# KiCad board AMC_FMC_Carrier-PcbDoc.kicad_pcb (continued)
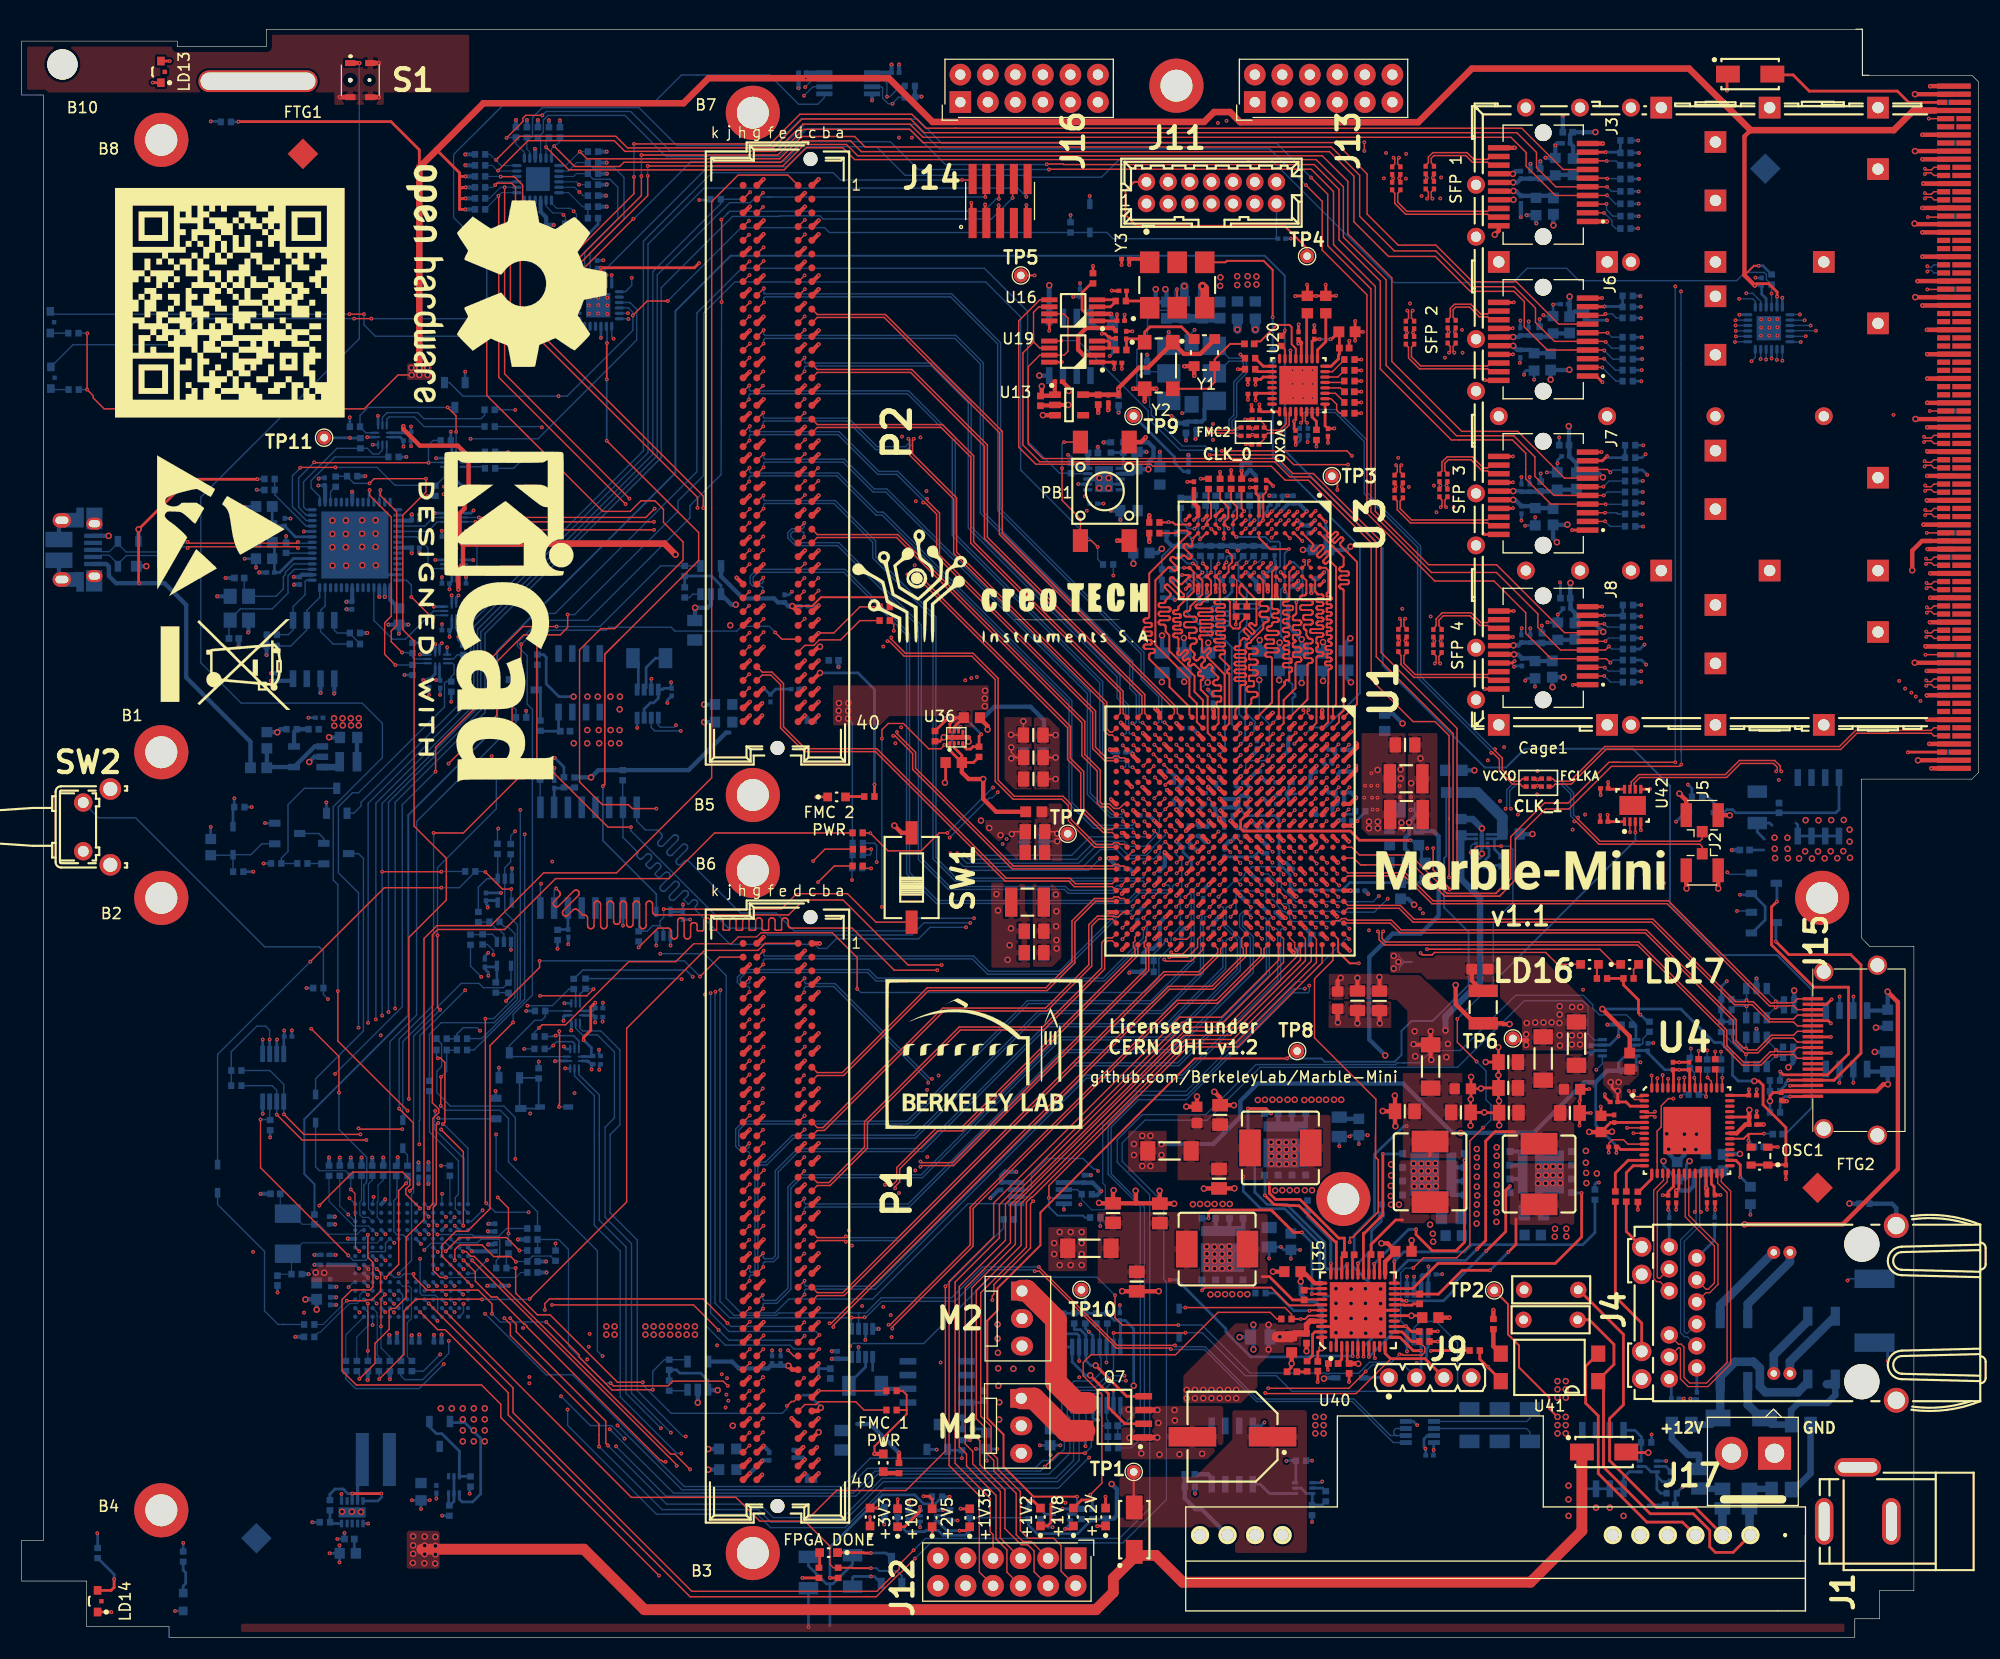
[diagram p0: board, top side]
## Routing (per net, layer and track width the routed paths; a pad name or vN(x,y) marks a point on that pad's centre or on a via; arc(x,y) is an arc through that point) (continued)
  Bottom w0.127: R294.2 v1(155.57,54.19)
/ETH_PHY/RGMII_RXD2: length 61.9
  Top w0.112: v1(114.43,71.55) 114.43,71.56 U1.J14
  Top w0.127: R295.2 v1(154.79,54.17)
  In2.Cu w0.127: 135.21,68.55 146.68,68.59 147.01,68.26 147.04,68.22 147.07,68.18 147.08,68.13 147.08,68.08 147.07,68.04 147.04,67.99 146.98,67.92 146.96,67.87 146.95,67.82 146.95,67.77 146.96,67.73 146.98,67.68 147.01,67.65 147.13,67.53 147.17,67.5 147.21,67.48 147.26,67.47 147.31,67.47 147.36,67.48 147.4,67.5 147.44,67.53 147.59,67.68 147.6,67.68 147.73,67.82 147.77,67.84 147.81,67.86 147.85,67.87 147.89,67.87 147.93,67.86 147.97,67.84 148.01,67.82 148.16,67.66 148.19,67.63 148.2,67.59 148.21,67.55 148.21,67.51 148.2,67.46 148.19,67.42 148.16,67.39 147.87,67.1 147.84,67.06 147.82,67.02 147.81,66.97 147.81,66.92 147.82,66.87 147.84,66.83 147.87,66.79 147.98,66.68 148.02,66.65 148.07,66.62 148.11,66.61 148.16,66.61 148.21,66.62 148.25,66.65 148.29,66.68 148.58,66.97 148.62,66.99 148.66,67.01 148.7,67.02 148.74,67.02 148.78,67.01 148.82,66.99 148.86,66.97 149.01,66.82 149.03,66.78 149.05,66.74 149.06,66.7 149.06,66.66 149.05,66.62 149.03,66.58 149.01,66.54 148.72,66.25 148.69,66.21 148.66,66.17 148.65,66.12 148.65,66.07 148.66,66.03 148.69,65.98 148.72,65.94 148.83,65.83 148.87,65.8 148.91,65.78 148.96,65.76 149.01,65.76 149.06,65.78 149.1,65.8 149.14,65.83 149.43,66.12 149.47,66.15 149.5,66.16 149.55,66.17 149.59,66.17 149.63,66.16 149.67,66.15 149.7,66.12 149.86,65.97 149.88,65.93 149.9,65.89 149.91,65.85 149.91,65.81 149.9,65.77 149.88,65.73 149.86,65.69 149.56,65.4 149.53,65.37 149.51,65.32 149.5,65.27 149.5,65.22 149.51,65.18 149.53,65.13 149.56,65.09 149.68,64.98 149.72,64.95 149.76,64.93 149.81,64.92 149.86,64.92 149.91,64.93 149.95,64.95 149.99,64.98 150.28,65.27 150.31,65.3 150.35,65.32 150.39,65.33 150.44,65.33 150.48,65.32 150.52,65.3 150.55,65.27 150.7,65.12 150.73,65.08 150.75,65.05 150.76,65 150.76,64.96 150.75,64.92 150.73,64.88 150.7,64.85 150.41,64.55 150.38,64.52 150.36,64.47 150.35,64.42 150.35,64.38 150.36,64.33 150.38,64.28 150.41,64.25 150.53,64.13 150.57,64.1 150.61,64.08 150.66,64.07 150.71,64.07 150.76,64.08 150.8,64.1 150.84,64.13 151.13,64.42 151.16,64.45 151.2,64.47 151.24,64.48 151.29,64.48 151.33,64.47 151.37,64.45 151.4,64.42 151.55,64.27 151.58,64.24 151.6,64.2 151.61,64.16 151.61,64.11 151.6,64.07 151.58,64.03 151.55,64 151.26,63.71 151.23,63.67 151.21,63.62 151.2,63.58 151.2,63.53 151.21,63.48 151.23,63.44 151.26,63.4 151.38,63.28 151.42,63.25 151.46,63.23 151.51,63.22 151.56,63.22 151.6,63.23 151.65,63.25 151.69,63.28 151.98,63.57 152.01,63.6 152.05,63.62 152.09,63.63 152.14,63.63 152.18,63.62 152.22,63.6 152.25,63.57 152.4,63.42 152.43,63.39 152.45,63.35 152.46,63.31 152.46,63.26 152.45,63.22 152.43,63.18 152.4,63.15 152.11,62.86 152.08,62.82 152.06,62.78 152.05,62.73 152.05,62.68 152.06,62.63 152.08,62.59 152.11,62.55 152.23,62.43 152.26,62.4 152.31,62.38 152.36,62.37 152.4,62.37 152.45,62.38 152.5,62.4 152.53,62.43 152.83,62.72 152.86,62.75 152.9,62.77 152.94,62.78 152.98,62.78 153.03,62.77 153.06,62.75 153.1,62.72 153.25,62.57 153.28,62.54 153.3,62.5 153.31,62.46 153.31,62.41 153.3,62.37 153.28,62.33 153.22,62.27 153.2,62.23 153.19,62.19 153.19,62.14 153.2,62.1 153.22,62.06 153.25,62.03 154.53,60.74 154.53,54.42 v1(154.79,54.17) ; 135.21,68.55 135.15,68.59 ; 135.21,68.55 134.41,69.35 134.31,69.35 132.21,71.45 131.81,71.45 122.66,71.46 122.33,71.13 119.71,71.13 119.69,71.12 119.14,71.12 119.01,71.25 117.64,71.23 117.57,71.16 115.32,71.16 114.92,71.55 v1(114.43,71.55)
/ETH_PHY/RGMII_RXD3: length 61.3
  Top w0.112: U1.K14 v1(113.46,71.53)
  In2.Cu w0.127: v1(113.46,71.53) 113.47,71.54 113.92,71.54 114.3,71.16 114.88,71.16 115.15,70.89 119.47,70.89 119.48,70.88 122.43,70.88 122.61,71.06 132.08,71.06 133.58,69.56 133.62,69.51 133.65,69.44 133.66,69.38 133.66,69.31 133.65,69.25 133.62,69.19 133.58,69.13 133.3,68.86 133.26,68.81 133.23,68.75 133.22,68.68 133.22,68.61 133.23,68.55 133.26,68.49 133.3,68.43 133.36,68.39 133.42,68.36 133.48,68.35 133.55,68.35 133.61,68.36 133.67,68.39 133.73,68.43 134.28,68.99 134.3,69 134.32,69.01 134.34,69.02 134.36,69.02 134.38,69.01 134.4,69 134.41,68.99 134.71,68.7 134.72,68.68 134.73,68.66 134.73,68.64 134.73,68.62 134.73,68.6 134.72,68.58 134.69,68.55 134.68,68.53 134.68,68.51 134.68,68.49 134.68,68.47 134.69,68.45 134.71,68.43 135.13,68.01 135.33,68.01 135.37,68 135.41,67.99 135.45,67.97 135.48,67.93 135.5,67.9 135.52,67.86 135.53,67.77 135.54,67.73 135.56,67.69 135.59,67.66 135.63,67.64 135.67,67.62 135.72,67.62 135.93,67.62 135.97,67.62 136.01,67.64 136.05,67.66 136.08,67.69 136.1,67.73 136.12,67.77 136.12,67.81 136.12,68.01 136.13,68.01 136.13,68.13 136.13,68.15 136.14,68.18 136.15,68.2 136.17,68.22 136.19,68.24 136.22,68.24 136.25,68.25 136.61,68.25 136.63,68.24 136.66,68.24 136.68,68.22 136.7,68.2 136.72,68.18 136.72,68.15 136.73,68.13 136.73,67.81 136.73,67.77 136.75,67.73 136.77,67.69 136.8,67.66 136.84,67.64 136.88,67.62 136.92,67.62 137.13,67.62 137.18,67.62 137.22,67.64 137.25,67.66 137.28,67.69 137.31,67.73 137.32,67.77 137.33,67.81 137.33,68.13 137.33,68.15 137.34,68.18 137.35,68.2 137.37,68.22 137.39,68.24 137.42,68.24 137.45,68.25 137.81,68.25 137.83,68.24 137.86,68.24 137.88,68.22 137.9,68.2 137.92,68.18 137.92,68.15 137.93,68.13 137.93,67.81 137.93,67.77 137.95,67.73 137.97,67.69 138,67.66 138.04,67.64 138.08,67.62 138.12,67.62 138.33,67.62 138.38,67.62 138.42,67.64 138.45,67.66 138.48,67.69 138.51,67.73 138.52,67.77 138.53,67.81 138.53,68.13 138.53,68.15 138.54,68.18 138.55,68.2 138.57,68.22 138.59,68.24 138.62,68.24 138.65,68.25 139.01,68.25 139.03,68.24 139.06,68.24 139.08,68.22 139.1,68.2 139.12,68.18 139.12,68.15 139.13,68.13 139.13,67.81 139.13,67.77 139.15,67.73 139.17,67.69 139.2,67.66 139.24,67.64 139.28,67.62 139.32,67.62 139.53,67.62 139.58,67.62 139.62,67.64 139.65,67.66 139.68,67.69 139.71,67.73 139.72,67.77 139.73,67.81 139.73,68.13 139.73,68.15 139.74,68.18 139.75,68.2 139.77,68.22 139.79,68.24 139.82,68.24 139.85,68.25 140.21,68.25 140.23,68.24 140.26,68.24 140.28,68.22 140.3,68.2 140.32,68.18 140.32,68.15 140.33,68.13 140.33,67.81 140.33,67.77 140.35,67.73 140.37,67.69 140.4,67.66 140.44,67.64 140.48,67.62 140.52,67.62 140.73,67.62 140.78,67.62 140.82,67.64 140.85,67.66 140.88,67.69 140.91,67.73 140.92,67.77 140.93,67.81 140.93,68.13 140.93,68.15 140.94,68.18 140.95,68.2 140.97,68.22 140.99,68.24 141.02,68.24 141.05,68.25 141.41,68.25 141.43,68.24 141.46,68.24 141.48,68.22 141.5,68.2 141.52,68.18 141.52,68.15 141.53,68.13 141.53,67.81 141.53,67.77 141.55,67.73 141.57,67.69 141.6,67.66 141.64,67.64 141.68,67.62 141.72,67.62 141.93,67.62 141.98,67.62 142.02,67.64 142.05,67.66 142.08,67.69 142.11,67.73 142.12,67.77 142.13,67.81 142.13,68.13 142.13,68.15 142.14,68.18 142.15,68.2 142.17,68.22 142.19,68.24 142.22,68.24 142.25,68.25 142.61,68.25 142.63,68.24 142.66,68.24 142.68,68.22 142.7,68.2 142.72,68.18 142.72,68.15 142.73,68.13 142.73,67.81 142.73,67.77 142.75,67.73 142.77,67.69 142.8,67.66 142.84,67.64 142.88,67.62 142.92,67.62 143.13,67.62 143.18,67.62 143.22,67.64 143.25,67.66 143.28,67.69 143.31,67.73 143.32,67.77 143.33,67.86 143.35,67.9 143.37,67.93 143.4,67.97 143.44,67.99 143.48,68 143.52,68.01 143.76,68.01 143.79,68 143.82,67.99 143.85,67.98 143.87,67.96 143.89,67.93 143.9,67.9 143.91,67.84 143.92,67.81 143.93,67.78 143.95,67.76 143.98,67.75 144.01,67.73 144.04,67.73 144.36,67.73 144.39,67.73 144.42,67.75 144.45,67.76 144.47,67.78 144.49,67.81 144.5,67.84 144.51,67.9 144.52,67.93 144.53,67.96 144.55,67.98 144.58,67.99 144.61,68 144.64,68.01 146.25,68.01 154.07,60.19 v1(154.07,54.38)
  Bottom w0.127: R296.2 154.07,53.61 v1(154.07,54.38)
/ETH_PHY/RGMII_TX_CLK: length 53.6
  Top w0.112: U1.J15 114.04,70.96 v1(114.5,70.5)
  Top w0.127: U4.53 151.96,51.57 v1(151.97,51.57)
  In2.Cu w0.127: v1(126.08,68.21) 129.54,68.21 131.8,65.95 137.46,65.95 138.4,65.01 145.31,65.01 146.1,64.22 146.12,64.2 146.14,64.17 146.14,64.13 146.14,64.1 146.14,64.07 146.12,64.04 146.08,63.99 146.06,63.95 146.06,63.92 146.06,63.89 146.06,63.86 146.08,63.83 146.1,63.8 146.31,63.59 146.34,63.57 146.37,63.55 146.4,63.54 146.43,63.54 146.47,63.55 146.5,63.57 146.52,63.59 146.74,63.8 146.76,63.82 146.79,63.83 146.83,63.84 146.86,63.84 146.89,63.83 146.92,63.82 146.95,63.8 147.16,63.59 147.18,63.56 147.2,63.53 147.2,63.5 147.2,63.46 147.2,63.43 147.18,63.4 147.14,63.35 147.13,63.32 147.12,63.29 147.12,63.25 147.13,63.22 147.14,63.19 147.16,63.16 151.97,58.36 v1(151.97,51.57)
  Bottom w0.127: v1(114.5,70.5) 115.04,70.5 115.56,69.98 115.56,69.97 115.9,69.62 115.9,68.13 116.3,67.74 116.8,67.74 116.99,67.55 116.99,67.32 117.26,67.05 121.51,67.05 121.6,66.97 124.84,66.97 v1(126.08,68.21)
/ETH_PHY/RGMII_TX_EN: length 53.5
  Top w0.127: v1(150.44,51.88) 150.46,51.86 U4.56 ; U1.J16 114.03,69.85 v1(114.43,69.45)
  In2.Cu w0.127: v1(114.43,69.45) 114.86,69.02 115.72,69.02 116,68.74 116.76,68.74 117.45,68.06 120.45,68.06 121.06,67.45 121.06,67.37 121.38,67.05 121.51,67.05 123.98,64.58 127.41,64.58 127.81,64.15 128.07,63.89 130.36,63.89 130.56,63.69 136.45,63.69 138.63,61.51 138.99,61.51 139.04,61.5 139.1,61.48 139.14,61.45 139.18,61.41 139.21,61.36 139.23,61.31 139.24,61.2 139.26,61.15 139.29,61.1 139.33,61.06 139.38,61.03 139.43,61.01 139.49,61.01 139.59,61.01 139.64,61.01 139.7,61.03 139.74,61.06 139.78,61.1 139.81,61.15 139.83,61.2 139.84,61.26 139.84,61.76 139.84,61.81 139.86,61.86 139.89,61.91 139.93,61.95 139.98,61.98 140.03,62 140.09,62.01 140.19,62.01 140.24,62 140.3,61.98 140.34,61.95 140.38,61.91 140.41,61.86 140.43,61.81 140.44,61.76 140.44,61.26 140.44,61.2 140.46,61.15 140.49,61.1 140.53,61.06 140.58,61.03 140.63,61.01 140.69,61.01 140.79,61.01 140.84,61.01 140.9,61.03 140.94,61.06 140.98,61.1 141.01,61.15 141.03,61.2 141.04,61.26 141.04,61.76 141.04,61.81 141.06,61.86 141.09,61.91 141.13,61.95 141.18,61.98 141.23,62 141.29,62.01 141.39,62.01 141.44,62 141.5,61.98 141.54,61.95 141.58,61.91 141.61,61.86 141.63,61.81 141.64,61.76 141.64,61.26 141.64,61.2 141.66,61.15 141.69,61.1 141.73,61.06 141.78,61.03 141.83,61.01 141.89,61.01 141.99,61.01 142.04,61.01 142.1,61.03 142.14,61.06 142.18,61.1 142.21,61.15 142.23,61.2 142.24,61.26 142.24,61.76 142.24,61.81 142.26,61.86 142.29,61.91 142.33,61.95 142.38,61.98 142.43,62 142.49,62.01 142.59,62.01 142.64,62 142.7,61.98 142.74,61.95 142.78,61.91 142.81,61.86 142.83,61.81 142.84,61.76 142.84,61.26 142.84,61.2 142.86,61.15 142.89,61.1 142.93,61.06 142.98,61.03 143.03,61.01 143.09,61.01 143.19,61.01 143.24,61.01 143.3,61.03 143.34,61.06 143.38,61.1 143.41,61.15 143.43,61.2 143.44,61.26 143.44,61.76 143.44,61.81 143.46,61.86 143.49,61.91 143.53,61.95 143.58,61.98 143.63,62 143.69,62.01 143.79,62.01 143.84,62 143.9,61.98 143.94,61.95 143.98,61.91 144.01,61.86 144.03,61.81 144.04,61.7 144.06,61.65 144.09,61.6 144.13,61.56 144.18,61.53 144.23,61.51 144.29,61.51 144.68,61.51 150.25,55.94 150.25,52.07 v1(150.44,51.88)
/ETH_PHY/RGMII_TXD0: length 53.5
  Top w0.112: U1.G15 116.47,70.52 v1(116.47,70.45)
  Top w0.127: v1(153.47,51.7) 153.46,51.7 U4.50
  In2.Cu w0.127: v1(116.47,70.45) 117.03,69.89 131.5,69.89 131.56,69.83 132.55,69.83 132.67,69.72 132.67,68.36 133.65,67.37 145.95,67.37 146.79,66.53 146.81,66.51 146.82,66.47 146.83,66.44 146.83,66.4 146.82,66.36 146.81,66.33 146.76,66.27 146.75,66.24 146.74,66.2 146.74,66.17 146.75,66.13 146.76,66.1 146.79,66.07 146.98,65.88 147.01,65.85 147.04,65.84 147.07,65.83 147.11,65.83 147.15,65.84 147.18,65.85 147.21,65.88 147.33,65.99 147.33,65.99 147.45,66.1 147.48,66.13 147.51,66.14 147.55,66.15 147.59,66.15 147.62,66.14 147.66,66.13 147.68,66.1 147.87,65.91 147.9,65.88 147.91,65.85 147.92,65.81 147.92,65.78 147.91,65.74 147.9,65.71 147.87,65.68 147.64,65.45 147.62,65.42 147.6,65.38 147.59,65.35 147.59,65.31 147.6,65.27 147.62,65.24 147.64,65.21 147.83,65.02 147.86,65 147.89,64.98 147.93,64.97 147.97,64.97 148,64.98 148.04,65 148.09,65.04 148.13,65.06 148.16,65.07 148.2,65.07 148.24,65.06 148.27,65.04 148.3,65.02 153.64,59.68 153.64,51.88 v1(153.47,51.7)
/ETH_PHY/RGMII_TXD1: length 53.5
  Top w0.112: v1(116.63,69.57) 116.42,69.57 U1.G16
  Top w0.127: U4.51 152.96,51.6 v1(152.96,51.6)
  In2.Cu w0.127: v1(116.63,69.57) 116.64,69.56 116.92,69.56 117.35,69.13 120.45,69.13 120.62,68.95 122.1,68.95 122.48,68.57 123.09,68.57 123.57,69.05 130.3,69.05 132.43,66.92 138.43,66.92 139.04,66.31 139.34,66.31 139.38,66.3 139.41,66.29 139.44,66.27 139.46,66.25 139.48,66.22 139.49,66.19 139.5,66.12 139.51,66.09 139.53,66.06 139.55,66.04 139.58,66.02 139.61,66.01 139.64,66.01 139.94,66.01 139.98,66.01 140.01,66.02 140.04,66.04 140.06,66.06 140.08,66.09 140.09,66.12 140.09,66.16 140.09,66.46 140.1,66.49 140.11,66.52 140.13,66.55 140.15,66.57 140.18,66.59 140.21,66.6 140.24,66.61 140.54,66.61 140.58,66.6 140.61,66.59 140.64,66.57 140.66,66.55 140.68,66.52 140.69,66.49 140.69,66.46 140.69,66.16 140.7,66.12 140.71,66.09 140.73,66.06 140.75,66.04 140.78,66.02 140.81,66.01 140.84,66.01 141.14,66.01 141.18,66.01 141.21,66.02 141.24,66.04 141.26,66.06 141.28,66.09 141.29,66.12 141.29,66.16 141.29,66.46 141.3,66.49 141.31,66.52 141.33,66.55 141.35,66.57 141.38,66.59 141.41,66.6 141.44,66.61 141.74,66.61 141.78,66.6 141.81,66.59 141.84,66.57 141.86,66.55 141.88,66.52 141.89,66.49 141.89,66.46 141.89,66.16 141.9,66.12 141.91,66.09 141.93,66.06 141.95,66.04 141.98,66.02 142.01,66.01 142.04,66.01 142.34,66.01 142.38,66.01 142.41,66.02 142.44,66.04 142.46,66.06 142.48,66.09 142.49,66.12 142.49,66.16 142.49,66.46 142.5,66.49 142.51,66.52 142.53,66.55 142.55,66.57 142.58,66.59 142.61,66.6 142.64,66.61 142.94,66.61 142.98,66.6 143.01,66.59 143.04,66.57 143.06,66.55 143.08,66.52 143.09,66.49 143.1,66.42 143.11,66.39 143.13,66.36 143.15,66.34 143.18,66.32 143.21,66.31 143.24,66.31 145.87,66.31 153.03,59.14 153.03,53.83 153.36,53.5 153.36,52.44 ; 153.36,52.26 153.36,52.44 ; 153.36,52.44 153.36,52.25 152.96,51.85 v1(152.96,51.6)
/ETH_PHY/RGMII_TXD2: length 53.5
  Top w0.112: v1(116.48,72.54) 116.45,72.54 U1.G13
  Top w0.127: v1(151.46,51.93) 151.46,51.93 U4.54
  In2.Cu w0.127: v1(151.46,51.93) 151.46,57.72 145.06,64.12 143.36,64.12 143.33,64.12 143.3,64.11 143.27,64.09 143.24,64.07 143.23,64.04 143.21,64.01 143.21,63.94 143.2,63.91 143.18,63.88 143.15,63.86 143.13,63.84 143.09,63.83 143.06,63.82 142.76,63.82 142.73,63.83 142.7,63.84 142.67,63.86 142.64,63.88 142.63,63.91 142.61,63.94 142.61,63.97 142.61,64.27 142.61,64.3 142.6,64.34 142.58,64.36 142.55,64.39 142.53,64.41 142.49,64.42 142.46,64.42 142.16,64.42 142.13,64.42 142.1,64.41 142.07,64.39 142.04,64.36 142.03,64.34 142.01,64.3 142.01,64.27 142.01,63.97 142.01,63.94 142,63.91 141.98,63.88 141.95,63.86 141.93,63.84 141.89,63.83 141.86,63.82 141.56,63.82 141.53,63.83 141.5,63.84 141.47,63.86 141.44,63.88 141.43,63.91 141.41,63.94 141.41,63.97 141.41,64.27 141.41,64.3 141.4,64.34 141.38,64.36 141.35,64.39 141.33,64.41 141.29,64.42 141.26,64.42 140.96,64.42 140.93,64.42 140.9,64.41 140.87,64.39 140.84,64.36 140.83,64.34 140.81,64.3 140.81,64.27 140.81,63.97 140.81,63.94 140.8,63.91 140.78,63.88 140.75,63.86 140.73,63.84 140.69,63.83 140.66,63.82 140.36,63.82 140.33,63.83 140.3,63.84 140.27,63.86 140.24,63.88 140.23,63.91 140.21,63.94 140.21,63.97 140.21,64.27 140.21,64.3 140.2,64.34 140.18,64.36 140.15,64.39 140.13,64.41 140.09,64.42 140.06,64.42 139.76,64.42 139.73,64.42 139.7,64.41 139.67,64.39 139.64,64.36 139.63,64.34 139.61,64.3 139.61,64.27 139.61,64.12 139.61,63.97 139.61,63.94 139.6,63.91 139.58,63.88 139.55,63.86 139.53,63.84 139.49,63.83 139.46,63.82 139.16,63.82 139.13,63.83 139.09,63.84 139.07,63.86 139.04,63.88 139.03,63.91 139.01,63.94 139.01,64.01 139,64.04 138.98,64.07 138.95,64.09 138.93,64.11 138.89,64.12 138.86,64.12 138.45,64.12 137.26,65.32 131.62,65.32 129.65,67.28 v1(129.07,67.28)
  In5.Cu w0.127: v1(129.07,67.28) 128.9,67.11 126.2,67.11 125.34,67.97 119.44,67.97 118.26,69.14 117.32,69.14 117.01,69.46 117.01,72.01 v1(116.48,72.54)
/ETH_PHY/RGMII_TXD3: length 53.6
  Top w0.112: U1.H13 115.45,72.54 v1(115.47,72.54)
  Top w0.127: v1(150.98,51.63) 150.96,51.61 U4.55
  In2.Cu w0.127: v1(150.98,51.63) 150.98,51.87 150.98,51.88 150.98,56.85 149.42,58.41 149.4,58.44 149.39,58.47 149.38,58.5 149.38,58.53 149.39,58.56 149.4,58.59 149.44,58.64 149.45,58.67 149.46,58.7 149.46,58.73 149.45,58.76 149.44,58.79 149.42,58.81 149.19,59.04 149.17,59.06 149.14,59.07 149.11,59.08 149.08,59.08 149.05,59.07 149.02,59.06 149,59.04 148.8,58.84 148.77,58.82 148.75,58.81 148.71,58.8 148.68,58.8 148.65,58.81 148.62,58.82 148.6,58.84 148.37,59.07 148.35,59.09 148.34,59.12 148.33,59.15 148.33,59.18 148.34,59.21 148.35,59.24 148.37,59.26 148.57,59.46 148.59,59.49 148.6,59.51 148.61,59.54 148.61,59.58 148.6,59.61 148.59,59.63 148.57,59.66 148.34,59.89 148.32,59.9 148.29,59.92 148.26,59.93 148.23,59.93 148.2,59.92 148.17,59.9 148.15,59.89 147.95,59.69 147.92,59.67 147.9,59.65 147.87,59.65 147.83,59.65 147.8,59.65 147.78,59.67 147.75,59.69 147.52,59.91 147.51,59.94 147.49,59.97 147.48,60 147.48,60.03 147.49,60.06 147.51,60.09 147.52,60.11 147.72,60.31 147.74,60.33 147.76,60.36 147.76,60.39 147.76,60.42 147.76,60.45 147.74,60.48 147.72,60.51 147.5,60.73 147.47,60.75 147.44,60.77 147.41,60.77 147.38,60.77 147.35,60.77 147.32,60.75 147.3,60.73 147.1,60.54 147.08,60.52 147.05,60.5 147.02,60.5 146.99,60.5 146.96,60.5 146.93,60.52 146.9,60.54 146.68,60.76 146.66,60.79 146.64,60.82 146.64,60.85 146.64,60.88 146.64,60.91 146.66,60.94 146.68,60.96 146.87,61.16 146.89,61.18 146.91,61.21 146.91,61.24 146.91,61.27 146.91,61.3 146.89,61.33 146.87,61.36 146.65,61.58 146.62,61.6 146.59,61.62 146.56,61.62 146.53,61.62 146.5,61.62 146.47,61.6 146.45,61.58 146.35,61.48 146.34,61.49 146.24,61.39 146.22,61.37 146.19,61.36 146.16,61.35 146.13,61.35 146.1,61.36 146.07,61.37 146.05,61.39 145.82,61.62 145.8,61.64 145.79,61.67 145.78,61.7 145.78,61.73 145.79,61.76 145.8,61.79 145.84,61.84 145.85,61.87 145.86,61.9 145.86,61.93 145.85,61.96 145.84,61.99 145.82,62.01 144.68,63.16 138,63.16 136.65,64.5 131.7,64.5 v1(129.34,66.87)
  In5.Cu w0.127: v1(129.34,66.87) 125.27,66.87 125.08,67.05 119.41,67.05 119.1,67.36 119.1,67.54 117.84,68.8 116.89,68.8 116.13,69.56 116.13,71.88 v1(115.47,72.54)
/ETH_PHY/SD_OUT_N: length 103.8
  Top w0.13: P3.12 176.5,135 176.26,135.24 175.78,135.24 v1(175.67,135.13) ; U4.5 149.87,48.16 150.64,48.16 v1(150.75,48.05)
  In2.Cu w0.102: v1(150.75,48.05) 150.88,48.18 155.19,48.18 158.15,51.15 158.15,59.88 159.88,61.61 159.88,91.56 166.79,98.47 166.79,109.77 168.03,111.01 168.03,128.92 174.37,135.26 175.54,135.26 v1(175.67,135.13)
/ETH_PHY/SD_OUT_P: length 103.8
  Top w0.13: v1(175.67,135.62) 175.78,135.51 176.26,135.51 176.5,135.75 P3.11 ; v1(150.75,48.54) 150.64,48.43 149.87,48.43 U4.4
  In2.Cu w0.102: v1(150.75,48.54) 150.88,48.41 155.1,48.41 157.92,51.24 157.92,59.98 159.65,61.71 159.65,91.65 166.56,98.56 166.56,109.86 167.8,111.11 167.8,129.02 174.28,135.49 175.54,135.49 v1(175.67,135.62)
/FANFAIL: length 168.4
  In2.Cu w0.127: v1(54.99,19.57) 51.83,22.73 51.83,48.73 48.59,51.97 48.59,100.09 56.01,107.51 v1(56.01,121.74)
  Bottom w0.127: 84.94,15.61 84.87,15.61 ; 84.94,15.61 93.52,15.61 94.25,16.33 95.19,16.33 96.24,17.38 96.24,19.98 96,20.22 96,22.52 97.15,23.67 98.83,23.67 99.63,24.47 99.63,25.79 99.5,25.91 U27.5 99.5,28.66 R173.2 ; 84.94,15.61 78.05,15.61 76.07,13.63 60.93,13.63 v1(54.99,19.57) ; U39.6 55.98,121.77 v1(56.01,121.74)
/FMC1_PRSNT_M2C_L: length 27.1
  Top w0.127: v1(44.71,58.76) 47.8,61.85 v1(47.8,62.47) ; P1.h2 64.4,62.81 v1(62.61,61.02)
  Bottom w0.127: v1(44.71,58.76) 44.93,58.98 R63.1 44.91,59.54 R234.2 ; v1(47.8,62.47) 61.16,62.47 v1(62.61,61.02)
/FMC1_PRSNT_Override: length 1.8
  Bottom w0.127: D18.2 35.18,44.97 35.61,44.54 R151.1 35.64,43.59
/FMC1_TCK: length 61.5
  Top w0.127: v1(48.28,30.24) 48.28,30.82 48.72,31.25 62.9,31.25 v1(65.15,29.01) ; P1.d29 v1(72.24,29.1)
  In2.Cu w0.127: v1(48.28,30.24) 44.65,30.24 42.18,32.71 42.18,55.64 42.31,55.77 v1(42.31,56.02)
  Bottom w0.127: v1(42.31,56.02) 42.03,56.3 40.75,56.3 40.17,55.72 R241.2 R239.1 39.65,55.28 ; v1(65.15,29.01) 65.44,28.71 71.86,28.71 v1(72.24,29.1)
/FMC1_TDI: length 64.2
  Top w0.127: v1(48.95,30.7) 62.01,30.7 v1(64.32,28.38) ; P1.d30 v1(72.26,27.85)
  In2.Cu w0.127: v1(48.95,30.7) 45.47,30.7 43.92,32.25 43.92,38.8 43.23,39.48 43.23,50.86 43.53,51.17 v1(43.53,63.03)
  Bottom w0.127: R277.1 42.99,63.98 43.53,63.44 v1(43.53,63.03) ; v1(64.32,28.38) 65.26,27.44 71.86,27.44 v1(72.26,27.85)
/FMC1_TDO: length 69.2
  Top w0.127: v1(42.8,57.14) 42.8,40.18 v1(42.88,40.09) ; P1.d31 71.26,25.98 v1(70.74,26.5)
  In5.Cu w0.127: v1(70.74,26.5) 70.49,26.5 70.01,26.02 63.93,26.02 63.63,26.33 63.63,30.06 62.46,31.23 48.67,31.23 47.55,32.35 47.55,38.49 v1(46.79,39.26)
  Bottom w0.127: v1(46.79,39.26) 43.72,39.26 v1(42.88,40.09) ; R278.1 44.11,66.06 44.52,65.64 44.84,65.64 45.53,64.95 45.53,59.1 43.57,57.14 v1(42.8,57.14)
/FMC1_TMS: length 58.7
  Top w0.127: v1(38.71,51.75) 38.68,51.73 v1(38.68,49.09) ; P1.d33 71.69,23.44 v1(72.21,23.96)
  In2.Cu w0.127: v1(53.62,25.97) 54.88,24.71 68.8,24.71 69.24,24.27 71.91,24.27 v1(72.21,23.96)
  Bottom w0.127: 39.26,54.22 40.09,54.22 40.12,54.24 ; R240.1 39.23,52.27 v1(38.71,51.75) ; v1(53.62,25.97) 53.14,26.45 53.14,35.7 44.93,43.9 44.93,47.91 44.16,48.68 39.09,48.68 v1(38.68,49.09)
/FMC1_TRST: length 36.2
  Top w0.127: v1(45.59,34.1) 45.59,31.79 47.6,29.78 48.77,29.78 54.99,23.56 v1(57.33,23.56) ; P1.d34 71.27,21.78 71.04,21.78 v1(70.64,21.37)
  Bottom w0.127: v1(45.59,34.1) R290.1 44.74,35.27 R289.2 ; v1(57.33,23.56) 57.33,23.31 59.95,20.69 70.2,20.69 70.64,21.13 v1(70.64,21.37)
/FMC2_PRSNT_M2C_L: length 132.1
  Top w0.127: v1(38.73,70.7) v1(33.27,70.7) ; P2.h2 v1(67.23,133.46)
  In2.Cu w0.127: v1(26.06,29.98) 28.47,32.4 28.47,40.09 27.99,40.57 27.99,54.55 30.86,57.42 v1(33.27,57.42)
  Bottom w0.127: v1(67.23,133.46) 66.57,132.8 R205.2 64.53,132.4 58.25,126.12 58.25,109.26 42.07,93.08 42.07,85.81 33.27,77.01 v1(33.27,70.7) v1(33.27,57.42) ; v1(38.73,70.7) 38.76,70.73 R276.1
/FMC2_PRSNT_Override: length 17
  Bottom w0.127: 24.18,28.89 23.67,28.89 22.41,30.15 22.41,35.65 18.08,39.97 D17.2 ; 24.18,28.89 R152.1 ; 24.18,28.89 24.06,28.89
/FMC2_TCK: length 67.4
  Top w0.127: P2.d29 v1(72.3,99.16)
  In5.Cu w0.127: v1(46.02,76.42) 49.58,79.97 49.58,91.58 56.5,98.5 71.64,98.5 v1(72.3,99.16)
  Bottom w0.127: v1(46.02,76.42) 46.02,58.85 42.47,55.3 41.06,55.3 ; R241.1 41.11,55.26
/FMC2_TDI: length 46.4
  Top w0.127: v1(72.25,97.83) 71.68,97.26 P2.d30
  In5.Cu w0.127: v1(72.25,97.83) 71.84,97.42 56.84,97.42 49.99,90.56 49.99,79.9 44.78,74.69 v1(43.99,74.69)
  Bottom w0.127: 43.9,73.28 R279.1 43.92,74.61 v1(43.99,74.69)
/FMC2_TDO: length 45.3
  Top w0.127: v1(72.21,96.58) 71.67,96.04 P2.d31
  In5.Cu w0.127: v1(72.21,96.58) 71.78,97.01 57.48,97.01 50.45,89.98 50.45,80.42 ; v1(45.54,74.43) 50.45,79.34 50.45,80.42 ; 50.45,80.42 50.45,79.8
  Bottom w0.127: v1(45.54,74.43) 45.14,74.03 R280.1 45.15,73.25
/FMC2_TMS: length 64.2
  Top w0.127: P2.d33 71.67,93.46 v1(72.27,94.07)
  In5.Cu w0.127: v1(72.27,94.07) 70.9,94.07 70.56,94.41 55.66,94.41 51.71,90.45 51.71,79.43 v1(46.43,74.16)
  Bottom w0.127: v1(46.43,74.16) 46.43,58.93 41.74,54.24 41.06,54.24
/FMC2_TRST: length 97.1
  Top w0.127: v1(44.93,37.3) 44.93,39.64 v1(43.94,40.63) ; v1(47.73,91.99) 47.55,91.81 47.55,81.07 40.77,74.28 v1(38.02,74.28) ; v1(35.83,41.23) 36.14,41.54 36.14,47.52 v1(34.84,48.82) ; P2.d34 70.17,92.18 v1(69.54,92.8)
  In5.Cu w0.127: v1(43.94,40.63) 41.99,40.63 41.45,40.09 36.97,40.09 v1(35.83,41.23)
  Bottom w0.127: v1(34.84,48.82) 34.84,55.25 38.02,58.43 v1(38.02,74.28) ; R289.1 v1(44.93,37.3) ; v1(69.54,92.8) 69.54,92.82 69.02,93.35 68.85,93.35 68.84,93.36 66.45,93.36 66.01,92.93 60.3,92.93 59.94,93.28 54.2,93.28 53.92,93 48.72,93 47.73,92.01 v1(47.73,91.99)
/FMC_1/FMC1_3P3VAUX: length 9.3
  Top w0.4: v2(70.76,25.08) 71.13,24.71 P1.d32
  Bottom w0.4: U45.5 65.56,25.47 66.2,24.83 68.89,24.83 69.14,25.08 ; 69.14,25.08 70.08,25.08 ; 69.14,25.08 69.27,25.21 C66.1 ; 70.08,25.08 v2(70.76,25.08) ; 70.08,25.08 70.05,25.11 C65.1 70.05,25.32
/FMC_1/FMC1_CLK0_M2C_N: length 44.2
  Top w0.13: U1.W20 104.03,65.94 v1(103.53,65.44) ; P1.h5 v1(67.18,59.6)
  Bottom w0.13: v1(67.18,59.6) 67.18,60.01 67.09,60.1 66.44,60.1 66.06,60.48 66.06,60.95 66.77,61.67 78.19,61.67 78.97,60.88 99.82,60.88 103.53,64.59 v1(103.53,65.44)
/FMC_1/FMC1_CLK0_M2C_P: length 45
  Top w0.13: U1.W19 104.03,66.93 v1(103.53,66.43) ; P1.h4 v1(67.21,60.9)
  Bottom w0.13: v1(103.53,66.43) 103.87,66.09 103.87,65.28 103.8,65.21 103.8,64.48 99.93,60.61 78.86,60.61 78.07,61.4 66.88,61.4 66.33,60.84 66.33,60.6 66.55,60.37 67.09,60.37 67.21,60.49 v1(67.21,60.9)
